# Altium PCB BMS-P00-V01.PcbDoc (part 2 of 2)
Units mm, origin at the board's own origin, x right, y up, seen from the top; angles counter-clockwise.
Board outline 70 x 160 mm, 2 copper layers (Top Layer, Bottom Layer), stack 1.57 mm thick; 200 components, 138 nets, 624 pads, 162 vias.
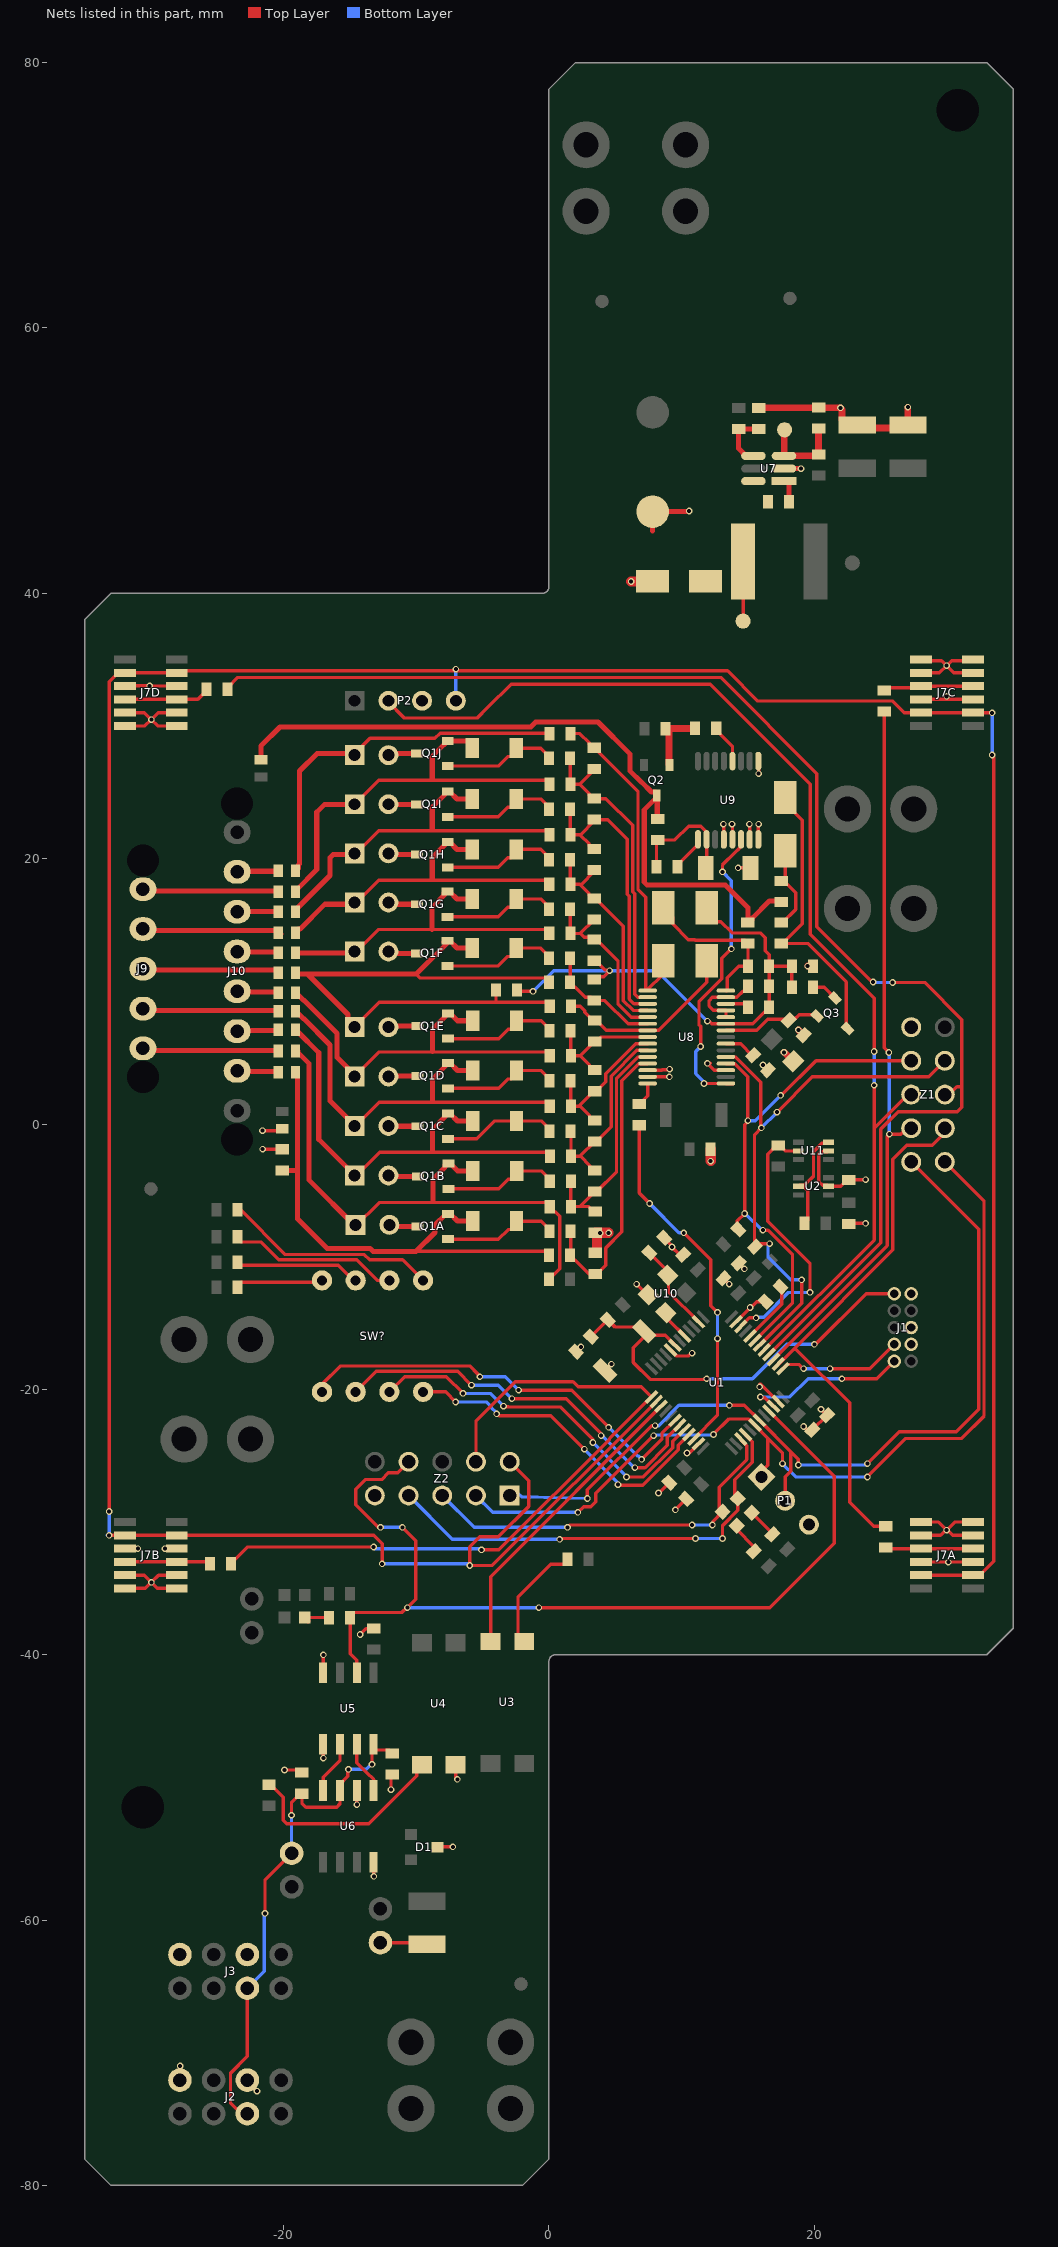
[diagram p2: the nets of this part, all layers, seen from the top]

## Via types
v1: diameter 0.5, hole 0.3, Top Layer to Bottom Layer, 103 vias
v2: diameter 0.5, hole 0.3, Top Layer to Bottom Layer, tented both sides, 59 vias

## Nets (pads, with @x,y where several pads share a name; then routed paths per layer and width w, separated by ;. In a path a pad name is that pad's centre, name@x,y a point inside that pad or via, vN(x,y) a via of type N, cw(c..) or ccw(c..) an arc to the next point about the centre after c; other vN are vias at no path point) (continued)
"CAN TX": R8.1 U1.33 U5.2 Z2.7 | length 72.2
  Top Layer w0.254: R8.1@-15.045,-37.136 -14.728,-36.819 -11.105,-36.819 -10.735,-36.449 v1(-10.668,-36.449) -10.037,-35.818 -10.037,-31.412 v1(-11.049,-30.4) ; R8.1@-14.982,-37.2 -14.982,-39.917 -14.477,-40.422 U5.2@-14.477,-41.354 ; v1(-12.7,-30.4) -12.869,-30.4 -14.567,-28.702 -14.567,-27.521 -13.843,-26.797 -12.608,-26.797 -12.1,-26.289 -11.409,-26.289 Z2.7@-10.58,-25.46 ; v1(-0.762,-36.449) 16.651,-36.449 21.5,-31.6 21.5,-26.549 U1.33@16.577,-21.626
  Bottom Layer w0.254: v1(-12.7,-30.4) v1(-11.049,-30.4) ; v1(-10.668,-36.449) v1(-0.762,-36.449)
"CAN TX LED": DS3.2 R8.2 | length 2.2
  Top Layer w0.254: DS3.2@-18.413,-37.2 R8.2@-16.568,-37.2
  Top Layer w0.381: DS3.2@-18.413,-37.2 DS3.2@-18.159,-37.454
"CELL ALERT": R32.2 U1.22 | length 27
  Top Layer w0.254: R32.2@6.8,-0.093 6.8,-5.2 v1(7.593,-5.993) ; v1(10.16,-8.2) 12.2,-10.24 12.2,-13.691 v1(12.7,-14.191) ; U1.22@10.92,-23.747 12.7,-21.967 v1(12.7,-16.176)
  Bottom Layer w0.254: v1(7.593,-5.993) 9.8,-8.2 v1(10.16,-8.2) ; v1(12.7,-16.176) v1(12.7,-14.191)
CV0: F12.1 J10.7 | length 3.1
  Top Layer w0.381: J10.7@-23.5,4 -23.45,3.95 F12.1@-20.4,3.95
CV1: F11.1 J9.5 | length 10.3
  Top Layer w0.381: J9.5@-30.6,5.55 F11.1@-20.25,5.55
CV2: F10.1 J10.6 | length 3.3
  Top Layer w0.381: J10.6@-23.5,7 -23.45,7.05 -20.3,7.05 F10.1@-20.25,7.1
CV3: F9.1 J9.4 | length 10.4
  Top Layer w0.381: J9.4@-30.6,8.55 -20.3,8.55 F9.1@-20.25,8.5
CV4: F8.1 J10.5 | length 3.3
  Top Layer w0.381: J10.5@-23.5,10 -23.45,9.95 -20.3,9.95 F8.1@-20.25,9.9
CV5: F7.1 J9.3 | length 10.5
  Top Layer w0.381: J9.3@-30.6,11.6 -20.41,11.6 -20.25,11.44 F7.1@-20.25,11.4
CV6: F6.1 J10.4 | length 3.2
  Top Layer w0.381: J10.4@-23.5,13 -23.45,12.95 -20.35,12.95 F6.1@-20.3,12.9
CV7: F5.1 J9.2 | length 10.5
  Top Layer w0.381: J9.2@-30.6,14.6 -20.51,14.6 -20.35,14.44 F5.1@-20.35,14.4
  Top Layer w0.508: F5.1@-20.35,14.4 F5.1@-20.278,14.328
CV8: F4.1 J10.3 | length 3.1
  Top Layer w0.381: J10.3@-23.5,16 F4.1@-20.4,16
CV9: F3.1 J9.1 | length 10.3
  Top Layer w0.381: J9.1@-30.6,17.55 -20.4,17.55 F3.1@-20.35,17.5
CV10: F2.1 J10.2 | length 3.2
  Top Layer w0.381: J10.2@-23.5,19 -23.45,19.05 -20.4,19.05 F2.1@-20.35,19.1
CVF0: D3A.A F12.2 Q1A.S R33.1 R34.2 | length 38.2
  Top Layer w0.254: -10.023,-9.6 R33.1@0.007,-9.6
  Top Layer w0.381: R34.2@-20.1,-3.493 -18.957,-3.493 -18.95,-3.5 ; F12.2@-18.95,3.9 -18.95,-3.5 ; D3A.A@-5.748,-7.319 -6.896,-7.319 -7.446,-6.769 Q1A.S@-7.596,-6.769 -7.746,-6.769 -8.596,-7.62 -8.596,-8.173 -10.023,-9.6 -13.262,-9.6 -13.494,-9.367 -16.733,-9.367 -18.95,-7.15 -18.95,-3.5
CVF1: D3B.A F11.2 J8A.1 Q1B.S R16A.1 R30.2 | length 41.8
  Top Layer w0.254: J8A.1@-14.586,-7.719 -12.786,-5.919 -8.743,-5.919 R16A.1@0.061,-5.919 ; R30.2@0.013,-11.7 0.8,-10.913 0.8,-6.958 R16A.1@0.061,-6.219 R16A.1@0.057,-6.215
  Top Layer w0.381: F11.2@-18.9,5.5 -18.9,5.375 -18.1,4.575 -18.1,-4.205 J8A.1@-14.586,-7.719 ; -8.743,-5.841 -8.743,-4.157 -7.837,-3.25 Q1B.S@-7.837,-3.1 ; Q1B.S@-7.577,-2.991 -7.427,-2.991 -6.877,-3.541 D3B.A@-5.729,-3.541 ; R16A.1@0.061,-6.219 R16A.1@0.061,-6.092
CVF2: D3C.A F10.2 J8B.1 Q1C.S R16B.1 | length 33.7
  Top Layer w0.254: J8B.1@-14.567,-3.941 -12.767,-2.141 R16B.1@0.08,-2.141
  Top Layer w0.381: F10.2@-18.95,7.1 -18.95,6.975 -17.349,5.374 -17.349,-1.159 J8B.1@-14.567,-3.941 ; -8.762,-2.069 -8.762,-0.385 -7.855,0.521 -7.855,0.671 -7.746,0.781 Q1C.S@-7.596,0.781 ; Q1C.S@-7.446,0.781 -6.896,0.231 D3C.A@-5.748,0.231 ; R16B.1@0.08,-2.441 R16B.1@0.08,-2.314
CVF3: D3D.A F9.2 J8C.1 Q1D.S R16C.1 | length 31.4
  Top Layer w0.254: J8C.1@-14.586,-0.169 -12.786,1.631 R16C.1@0.061,1.631
  Top Layer w0.381: F9.2@-18.95,8.5 -18.95,8.375 -18.521,7.946 -18.486,7.946 -16.5,5.96 -16.5,1.745 J8C.1@-14.586,-0.169 ; -8.762,1.731 -8.762,3.415 -7.855,4.321 -7.855,4.471 -7.746,4.581 Q1D.S@-7.596,4.581 ; Q1D.S@-7.446,4.581 -6.896,4.031 D3D.A@-5.748,4.031 ; R16C.1@0.061,1.331 R16C.1@0.061,1.458
CVF4: D3E.A F8.2 J8D.1 Q1E.S R16D.1 | length 29.1
  Top Layer w0.254: J8D.1@-14.586,3.631 -12.786,5.431 R16D.1@0.061,5.431
  Top Layer w0.381: F8.2@-18.95,9.9 -18.95,9.775 -18.521,9.346 -18.486,9.346 -15.967,6.827 -15.967,5.012 J8D.1@-14.586,3.631 ; -8.762,5.481 -8.762,7.165 -7.855,8.071 -7.855,8.221 -7.746,8.331 Q1E.S@-7.596,8.331 -7.446,8.331 -6.896,7.781 D3E.A@-5.748,7.781 ; R16D.1@0.061,5.131 R16D.1@0.061,5.258
CVF5: D3F.A F7.2 J8E.1 Q1F.S R16E.1 R24.2 R27.1 | length 46.8
  Top Layer w0.254: J8E.1@-14.586,7.381 -12.786,9.181 -3.993,9.181 R16E.1@0.061,9.181 ; -10,11.3 -9.7,11 R27.1@0.007,11 ; -3.993,9.2 R24.2@-3.993,10.1
  Top Layer w0.381: F7.2@-18.95,11.4 -18.85,11.3 -18.2,11.3 ; J8E.1@-14.586,7.381 -15.145,7.94 -15.145,8.245 -18.2,11.3 ; Q1F.S@-7.892,13.702 -7.782,13.811 -7.482,13.811 -6.932,13.261 D3F.A@-5.784,13.261 ; Q1F.S@-7.56,13.74 -10,11.3 -18.2,11.3 ; R16E.1@0.061,8.754 R16E.1@0.061,8.881
CVF6: D3G.A F6.2 J8F.1 Q1G.S R16F.1 | length 25.4
  Top Layer w0.254: J8F.1@-14.622,12.861 -12.822,14.661 -8.798,14.661 R16F.1@0.024,14.661
  Top Layer w0.381: F6.2@-19,12.9 -14.661,12.9 J8F.1@-14.622,12.861 ; -8.798,14.661 -8.798,16.345 -7.892,17.252 -7.892,17.402 -7.782,17.511 Q1G.S@-7.632,17.511 -7.482,17.511 -6.932,16.961 D3G.A@-5.784,16.961 ; R16F.1@0.024,14.361 R16F.1@0.024,14.488
CVF7: D3H.A F5.2 J8G.1 Q1H.S R16G.1 | length 26.4
  Top Layer w0.254: J8G.1@-14.622,16.561 -14.562,16.622 -12.822,18.361 R16G.1@0.024,18.361
  Top Layer w0.381: F5.2@-19.05,14.4 -19.05,14.525 -18.891,14.684 -18.766,14.684 -16.889,16.561 J8G.1@-14.622,16.561 ; -8.796,18.415 -8.796,20.081 -7.889,20.987 -7.889,21.137 -7.78,21.247 -7.48,21.247 -6.93,20.697 D3H.A@-5.782,20.697 ; R16G.1@0.024,18.061 R16G.1@0.024,18.188
CVF8: D3I.A F4.2 J8H.1 Q1I.S R16H.1 | length 28.1
  Top Layer w0.254: J8H.1@-14.62,20.297 -12.82,22.097 -8.796,22.097 R16H.1@0.027,22.097
  Top Layer w0.381: F4.2@-19.1,16 -19.1,16.125 -16.5,18.725 -16.5,20.074 -16.277,20.297 J8H.1@-14.62,20.297 ; -8.796,22.197 -8.796,23.881 -7.889,24.787 -7.889,24.937 -7.78,25.047 Q1I.S@-7.63,25.047 -7.48,25.047 -6.93,24.497 D3I.A@-5.782,24.497 ; R16H.1@0.027,21.797 R16H.1@0.027,21.924
CVF9: D3J.A F3.2 J8I.1 Q1J.S R16I.1 | length 30.5
  Top Layer w0.254: J8I.1@-14.62,24.097 -12.82,25.897 R16I.1@0.027,25.897
  Top Layer w0.381: F3.2@-19.05,17.5 -19.05,17.625 -17.5,19.175 -17.5,23.5 -16.903,24.097 J8I.1@-14.62,24.097 ; -8.796,26.031 -8.796,27.715 Q1J.S@-7.889,28.621 ; Q1J.S@-7.63,28.881 -6.099,28.881 -5.782,28.563 D3J.A@-5.782,28.331 ; R16I.1@0.027,25.597 R16I.1@0.027,25.724
CVF10: F2.2 J8J.1 R16J.1 | length 27.4
  Top Layer w0.254: J8J.1@-14.62,27.931 -13.489,29.062 -8.594,29.062 -8.195,29.46 R16J.1@-0.227,29.46
  Top Layer w0.381: F2.2@-19.05,19.1 -18.891,19.26 -18.891,19.517 -18.8,19.608 -18.8,26.6 -17.469,27.931 J8J.1@-14.62,27.931
"DSG EN": U8.1 U9.6 | length 23
  Top Layer w0.254: v1(11.43,5.842) 11.43,7.363 11.307,7.486 11.307,9.212 13.029,10.934 13.029,12.489 v1(13.748,13.208) ; v1(11.684,3.048) 13.332,3.048 U8.1@13.34,3.056 13.349,3.047 13.887,3.047 U8.1@13.913,3.021 ; v1(13.081,19) 13.081,19.522 14.028,20.47 14.039,20.47 14.334,20.765 14.334,20.776 14.48,20.921 U9.6@14.48,21.449 U9.6@14.442,21.412
  Bottom Layer w0.254: v1(11.43,5.842) 11.053,5.465 11.053,3.803 11.684,3.172 v1(11.684,3.048) ; v1(13.081,19) 13.748,18.333 v1(13.748,13.208)
"DSG MOSFET": Q2.G R20.1 R23.2 | length 4.9
  Top Layer w0.508: R20.1@8.793,29.8 8.799,29.806 11.014,29.806 R23.2@11.02,29.812 ; R20.1@9.044,29.767 9.044,27.102 Q2.G@9.074,27.072
GND: C1.1 C2.1 C3.1 C4.1 C5.1 C6.1 C7.1 C8.1 C10.1 C13.K C14.1 C15.1 C16A.1 C19.1 C20.1 C21.1 C23.1 C24.1 C26.1 C27.1 C28.1 D2.A F13.2 J1.3 J1.5 J1.9 J7A.3 J7A.5 J7A.6 J7B.3 J7B.5 J7B.6 J7C.3 J7C.5 J7C.6 J7D.3 J7D.5 J7D.6 P1.3 P2.3 R14.1 R15.1 R29.1 R31.1 R34.1 R36.1 SW1.1 U1.8 U1.23 U1.35 U1.47 U2.2 U5.4 U7.2 U8.3 U8.28 U8.29 U9.4 U9.5 U9.7 U9.8 U9.9 U10.2 U11.2 Z1.10 Z2.10 | length 120.4
  Top Layer w0.254: J7B.6@-31.95,-35 -30.428,-35 v1(-29.972,-34.544) ; J7B.5@-31.95,-34 -30.516,-34 v1(-29.972,-34.544) ; J7B.3@-31.95,-32 -30.992,-32 v2(-30.988,-32.004) ; J7D.6@-31.95,30 -30.452,30 v2(-29.972,30.48) ; J7D.5@-31.95,31 -30.492,31 v2(-29.972,30.48) ; J7D.3@-31.7,33.1 -31.78,33.02 v2(-30.099,33.02) -30.089,33.01 -28.06,33.01 J7D.3@-28.05,33 ; v2(-28.956,-32) J7B.3@-28.05,-32 ; J7B.6@-28.05,-35 -29.516,-35 v1(-29.972,-34.544) ; J7B.5@-28.05,-34 -29.428,-34 v1(-29.972,-34.544) ; J7D.6@-28.05,30 -29.492,30 v2(-29.972,30.48) ; J7D.5@-28.05,31 -29.452,31 v2(-29.972,30.48) ; J7D.5@-27.8,31.1 J7D.5@-27.785,31.115 ; J7D.3@-27.8,33.1 J7D.3@-27.733,33.167 ; v2(-21.59,-0.508) -20.258,-0.508 F13.2@-20.1,-0.35 ; v2(-21.585,-1.9) -20.1,-1.9 R34.1@-20.1,-1.906 ; U5.4@-17.017,-41.354 -17,-41.337 v2(-17,-40.005) ; v2(-14.224,-38.481) -14.224,-38.464 -13.792,-38.032 C10.1@-13.2,-38.032 ; C8.1@2.039,-17.161 v2(2.4,-16.8) ; SW1.1@4.215,-18.585 v2(4.7,-18.1) ; v2(6.604,-12.065) 7.41,-12.871 U10.2@7.476,-12.871 ; U8.29@7.44,3.556 7.443,3.553 9.071,3.553 v2(9.074,3.55) ; U8.28@7.44,4.056 7.449,4.065 8.52,4.065 8.547,4.092 9.053,4.092 v2(9.1,4.139) ; v2(8.255,-27.813) 8.287,-27.813 C1.1@9.078,-27.022 ; R36.1@8.689,-8.583 9.271,-9.165 v2(9.271,-9.271) 9.853,-9.853 C7.1@10.107,-9.853 ; U1.8@9.152,-17.029 9.185,-17.03 9.641,-17.486 10.515,-17.486 10.728,-17.272 v1(10.795,-17.272) v1@10.795,-17.258 ; v2(9.525,-29.083) 9.525,-29.075 C2.1@10.339,-28.261 ; v2(10.4,-24.8) 10.574,-24.8 U1.23@11.274,-24.101 ; v1@12.167,4.572 v1(11.938,4.572) 12.445,4.065 13.332,4.065 U8.3@13.34,4.056 U8.3@13.903,4.056 ; v2(13.139,22.6) 13.18,22.559 U9.4@13.18,21.449 ; C4.1@13.155,-11.631 v2(13.589,-12.065) ; v2(13.8,22.6) 13.83,22.57 U9.5@13.83,21.449 ; U1.47@14.102,-14.908 v2@15.167,-13.843 ; v2(14.261,19.3) C23.1@15.178,19.3 C23.1@15.178,18.995 ; C3.1@14.298,-10.488 v2(14.729,-10.919) ; v2(15.1,22.6) 15.13,22.57 U9.7@15.13,21.449 ; v2(15.168,-13.828) v2@15.168,-13.843 ; U9.8@15.78,21.449 15.78,22.58 v2(15.8,22.6) ; U9.9@15.78,27.349 15.78,27.48 15.8,27.5 v2(15.8,26.4) ; v2(15.875,-19.812) 15.875,-19.606 15.972,-19.606 U1.35@17.284,-20.919 ; R29.1@16.33,-13.388 15.648,-13.388 15.193,-13.843 v2@15.168,-13.843 ; v2(19.2,-22.8) 19.461,-23.061 C5.1@19.861,-23.061 C6.1@20.961,-21.961 v2(20.5,-21.5) ; U11.2@21.064,-2.032 20.991,-2.105 20.494,-2.105 20.345,-2.254 20.345,-4.351 20.621,-4.626 20.991,-4.626 U2.2@21.064,-4.699 22.002,-4.699 22.479,-4.222 C28.1@22.606,-4.222 22.637,-4.191 v2(23.876,-4.191) ; C27.1@22.606,-7.524 22.637,-7.493 v2(23.876,-7.493) ; J7A.3@28.05,-33 28.06,-33.01 31.94,-33.01 J7A.3@31.95,-33 ; J7A.5@28.05,-31 29.512,-31 29.905,-30.607 v2(29.972,-30.607) ; J7A.6@28.05,-30 29.365,-30 v2(29.972,-30.607) ; J7C.3@28.05,32 28.052,32.002 29.97,32.002 v2@29.972,32.004 ; J7C.5@28.05,34 29.428,34 v2(29.972,34.544) ; J7C.6@28.05,35 28.125,34.925 29.591,34.925 v2(29.972,34.544) ; v2(29.972,32.227) v2@29.972,32.004 ; J7C.5@31.61,34.036 31.737,34.163 J7C.5@31.8,34.1 ; J7C.3@31.642,32.004 v2@29.972,32.004 ; J7C.6@31.752,35.052 31.625,34.925 30.353,34.925 v2(29.972,34.544) ; J7A.5@31.95,-31 30.432,-31 30.039,-30.607 v2(29.972,-30.607) ; J7A.6@31.95,-30 30.579,-30 v2(29.972,-30.607) ; J7C.5@31.95,34 30.516,34 v2(29.972,34.544)
  Top Layer w0.381: 7.813,44.703 C13.K@7.813,46.156 10.522,46.156 v2(10.566,46.2) ; U7.2@17.713,49.401 17.757,49.357 17.801,49.4 v2(19,49.4) ; J7A.3@28.05,-33 J7A.3@28.157,-32.893 ; J7A.5@28.05,-31 J7A.5@28.056,-30.994 ; J7A.6@28.05,-30 J7A.6@28.078,-29.972
  Top Layer w0.508: C7.1@10.107,-9.898 C7.1@10.107,-9.853 ; R14.1@15.8,53.979 15.804,53.975 20.162,53.975 R15.1@20.193,54.006 ; v2(17.713,5.4) 17.756,5.4 C19.1@18.416,4.74 ; v2(18.8,7.1) C21.1@19.199,6.7 ; v2(19.5,11.9) C20.1@19.893,11.9 ; R15.1@20.32,54.006 20.351,53.975 v2(21.971,53.975) 22.095,53.851 22.095,53.075 22.491,52.679 C14.1@23.241,52.679 23.469,52.451 26.823,52.451 C15.1@27.051,52.679 v1(27.051,54.029)
  Top Layer w0.762: C26.1@3.5,-9.707 3.627,-9.707 3.627,-8.447 v2(3.852,-8.223) ; C16A.1@3.5,-8.193 4.493,-8.193 v2(4.5,-8.2) ; v2(6.2,40.893) D2.A@7.8,40.893 D2.A@7.813,40.905 ; R31.1@12.187,-1.9 12.192,-1.905 v2(12.192,-2.794)
  other v2: 30.099,-33.02 16.129,4.445
"I2C1 SCL": R40.1 U1.42 U8.5 Z1.7 | length 43.9
  Top Layer w0.254: U8.5@13.34,5.056 13.349,5.047 14.081,5.047 15.976,3.153 v1@15.976,-0.29 ; R40.1@15.441,-9.345 R40.1@15.531,-9.255 ; U1.42@15.87,-16.676 19.046,-13.5 v2(19.046,-11.748) ; v1(16.01,-0.29) 15.494,-0.806 15.494,-8.859 15.531,-8.896 R40.1@15.531,-9.255 ; v2(16.637,-9.017) 15.769,-9.017 R40.1@15.531,-9.255 ; v1(17.192,0.892) 19.856,3.556 28.636,3.556 Z1.7@29.84,4.76
  Bottom Layer w0.254: v1(16.01,-0.29) v1(17.192,0.892) ; v2(16.637,-9.017) 16.514,-9.14 16.514,-10.04 18.222,-11.748 18.987,-11.748 v2@19.016,-11.777
"I2C1 SDA": R39.1 U1.43 U8.4 Z1.8 | length 40.7
  Top Layer w0.254: U8.4@13.34,4.556 13.349,4.547 14.006,4.547 14.986,3.568 v1(14.986,0.254) 14.986,0.187 14.744,-0.055 v1(14.744,-6.747) 14.187,-7.304 14.187,-7.858 R39.1@14.277,-7.948 ; U1.43@15.516,-16.322 18.36,-13.479 18.36,-9.848 16.513,-8 v2(16.125,-8) ; v1(17.462,2.159) 17.526,2.159 20.127,4.76 Z1.8@27.3,4.76
  Bottom Layer w0.254: v1(14.744,-6.747) 14.808,-6.747 16.061,-8 v2(16.125,-8) ; v1(14.986,0.254) 15.557,0.254 v1(17.462,2.159)
"ISO 3V3": C9.2 C11.2 J2.5 J3.5 J6.1 U5.8 U6.3 | length 39.6
  Top Layer w0.254: J2.5@-22.76,-75.042 -24,-73.802 -24,-72.588 -24.002,-72.586 -24.002,-71.534 -22.732,-70.264 J3.5@-22.732,-65.136 J3.5@-22.732,-64.392 ; v1(-21.4,-59.5) -21.4,-56.96 J6.1@-19.4,-54.96 ; v1(-19.4,-52.1) -19.4,-51.134 -18.744,-50.478 C11.2@-18.617,-50.478 -18.617,-51.183 -18.313,-51.487 -15.987,-51.487 -15.749,-51.249 U6.3@-15.749,-50.236 -15.749,-49.761 -15.16,-49.173 -15.16,-48.688 v1(-15.113,-48.641) ; v1(-13.335,-48.26) U5.8@-13.335,-47.227 ; U5.8@-13.208,-46.846 -13.254,-46.801 -13.254,-46.962 -13.034,-47.181 -12.065,-47.181 C9.2@-11.811,-47.435
  Bottom Layer w0.254: J3.5@-22.732,-65.136 -21.462,-63.866 -21.462,-59.562 v1(-21.4,-59.5) ; J6.1@-19.4,-54.96 v1(-19.4,-52.1) ; v1(-15.113,-48.641) -13.783,-48.641 -13.402,-48.26 v1(-13.335,-48.26)
"ISO CAN RX": U5.6 U6.4 | length 4
  Top Layer w0.254: U6.4@-17.019,-50.236 -17.019,-49.219 -15.747,-47.947 U5.6@-15.747,-46.754
"ISO CAN TX": U5.7 U6.1 | length 4
  Top Layer w0.254: U5.7@-14.477,-46.754 -14.477,-48.137 -13.723,-48.891 -13.72,-48.891 -13.209,-49.402 U6.1@-13.209,-50.236
"ISO GND": C9.1 C11.1 D1.3 J2.2 J2.6 J3.2 J3.6 U4.2 U5.5 U6.2 U6.8 | length 10.3
  Top Layer w0.254: J2.2@-27.812,-72.06 -27.812,-71.012 v1(-27.8,-71) ; J2.6@-22.732,-72.06 -22.732,-72.168 v1(-22,-72.9) ; v1(-19.937,-48.693) -18.822,-48.693 -18.621,-48.895 C11.1@-18.617,-48.891 ; U5.5@-17.017,-46.754 -17.017,-47.783 v1(-17,-47.8) ; U6.2@-14.479,-50.236 -14.479,-51.298 v1(-14.477,-51.3) ; U6.8@-13.209,-55.636 -13.209,-56.691 v1(-13.2,-56.7) ; v1(-11.907,-50.165) -11.907,-49.194 -11.811,-49.098 -11.849,-49.06 C9.1@-11.811,-49.022 ; D1.3@-8.4,-54.5 -8.383,-54.483 v1(-7.239,-54.483) ; U4.2@-7.03,-48.3 -7.03,-49.27 v1(-6.9,-49.4)
LED0: DS1.2 U1.27 Z2.6 | length 29.4
  Top Layer w0.254: v1(1.4,-30.4) 1.574,-30.226 v1(10.795,-30.226) ; v1(12.319,-30.226) 12.366,-30.179 12.366,-29.925 DS1.2@13.081,-29.21 12.827,-28.956 12.827,-27.373 14.912,-25.288 14.912,-24.236 14.456,-23.78 U1.27@14.456,-23.747
  Bottom Layer w0.254: Z2.6@-8.04,-28 -5.64,-30.4 v1(1.4,-30.4) ; v1(10.795,-30.226) v1(12.319,-30.226)
LED1: DS2.2 U1.28 Z2.8 | length 34.3
  Top Layer w0.254: v1(0.8,-31.3) 0.858,-31.242 v1(11.049,-31.242) ; v1(13.081,-31.242) 13.081,-30.264 14.224,-29.121 14.224,-28.257 DS2.2@14.199,-28.232 ; DS2.2@14,-28.376 14,-26.812 15.318,-25.494 15.318,-23.935 14.809,-23.426 U1.28@14.809,-23.393
  Bottom Layer w0.254: Z2.8@-10.58,-28 -7.28,-31.3 v1(0.8,-31.3) ; v1(11.049,-31.242) v1(13.081,-31.242)
nALARM: U1.15 U3.2 | length 23.1
  Top Layer w0.254: U3.2@-4.5,-39 U3.2@-4.4,-39 -4.4,-34.117 U1.15@8.445,-21.272
NetC16A_2: C16A.2 C16B.1 R16A.2 R17B.2 U8.26 | length 17.8
  Top Layer w0.254: R17B.2@1.65,-4.307 1.65,-6.217 R16A.2@1.648,-6.219 2.338,-6.219 ; C16A.2@3.5,-6.607 3.373,-6.607 2.986,-6.219 2.338,-6.219 ; U8.26@7.44,5.056 7.432,5.047 6.7,5.047 5.094,3.441 5.094,-3.59 3.584,-5.1 C16B.1@3.457,-5.1 2.338,-6.219
NetC16B_2: C16B.2 C16C.1 R16B.2 R17C.2 U8.25 | length 14.8
  Top Layer w0.254: R17C.2@1.632,-0.535 1.666,-0.57 R16B.2@1.666,-2.441 2.384,-2.441 3.076,-3.132 3.076,-3.259 3.33,-3.513 C16B.2@3.457,-3.513 ; 2.398,-2.369 C16C.1@3.438,-1.329 3.565,-1.329 4.687,-0.207 4.687,3.61 6.625,5.547 7.432,5.547 U8.25@7.44,5.556
NetC16C_2: C16C.2 C16D.1 R16C.2 R17D.2 U8.24 | length 11.6
  Top Layer w0.254: R17D.2@1.632,3.265 1.648,3.249 R16C.2@1.648,1.331 2.366,1.331 3.057,0.639 3.057,0.512 3.311,0.258 C16C.2@3.438,0.258 ; 2.334,1.431 C16D.1@3.375,2.471 ; C16D.1@3.438,2.471 3.565,2.471 4.281,3.187 4.281,3.778 6.55,6.047 7.432,6.047 U8.24@7.44,6.056
NetC16D_2: C16D.2 C16E.1 R16D.2 R17E.2 U8.23 | length 9.8
  Top Layer w0.254: R17E.2@1.632,6.888 R17E.2@1.632,7.015 ; R17E.2@1.648,6.872 R16D.2@1.648,5.131 2.366,5.131 3.057,4.439 3.057,4.312 3.311,4.058 C16D.2@3.438,4.058 ; 2.398,5.181 C16E.1@3.438,6.221 3.565,6.221 3.9,6.556 U8.23@7.44,6.556
NetC16E_2: C16E.2 D6.A R16E.2 U8.22 | length 14.6
  Top Layer w0.254: R16E.2@1.648,8.881 2.366,8.881 2.698,8.548 2.698,8.421 3.311,7.808 C16E.2@3.438,7.808 3.565,7.808 4.318,7.056 U8.22@7.44,7.056 8.286,7.056 11.9,10.67 D6.A@11.9,12.3 D6.A@11.9,12.7
NetC16F_2: C16F.2 C16G.1 R16F.2 R17G.2 U8.20 | length 13.6
  Top Layer w0.254: R17G.2@1.595,16.195 1.611,16.179 R16F.2@1.611,14.361 2.361,14.361 ; C16F.2@3.021,13.743 C16F.2@3.021,13.87 ; C16F.2@3.4,13.893 3.23,14.063 2.66,14.063 2.361,14.361 ; C16G.1@3.402,15.402 2.361,14.361 ; C16F.2@3.611,13.893 5.203,12.302 5.203,9.058 6.205,8.056 U8.20@7.44,8.056 U8.20@7.432,8.065
NetC16G_2: C16G.2 C16H.1 R16G.2 R17H.2 U8.19 | length 16.5
  Top Layer w0.254: R17H.2@1.598,19.931 1.611,19.917 R16G.2@1.611,18.061 2.329,18.061 2.38,18.011 ; C16H.1@3.455,19.086 2.38,18.011 ; U8.19@7.44,8.556 7.432,8.565 6.891,8.565 6.882,8.556 6.342,8.556 5.609,9.289 5.609,14.908 3.529,16.989 C16G.2@3.402,16.989 3.275,16.989 3.021,17.243 3.021,17.37 2.38,18.011
NetC16H_2: C16H.2 C16I.1 R16H.2 R17I.2 U8.18 | length 22.6
  Top Layer w0.254: R17I.2@1.598,23.731 1.614,23.715 R16H.2@1.614,21.797 2.332,21.797 2.349,21.78 ; C16H.2@3.404,20.724 3.277,20.724 3.023,20.978 3.023,21.105 2.349,21.78 ; C16I.1@3.404,22.937 4.437,22.937 5.9,21.474 5.9,17.33 6.055,17.175 6.055,9.418 6.408,9.065 7.432,9.065 U8.18@7.44,9.056 ; C16I.1@3.455,22.886 2.349,21.78
NetC16I_2: C16I.2 C16J.1 R16I.2 R17J.2 U8.17 | length 23.8
  Top Layer w0.254: R17J.2@1.598,27.565 1.614,27.549 R16I.2@1.614,25.597 2.332,25.597 ; C16J.1@3.023,26.517 C16J.1@3.277,26.771 ; C16J.1@3.455,26.72 2.332,25.597 ; U8.17@7.44,9.556 7.432,9.565 6.675,9.565 6.461,9.779 6.461,17.344 6.306,17.498 6.306,22.511 4.293,24.524 C16I.2@3.404,24.524 3.277,24.524 3.023,24.778 3.023,24.905 2.332,25.597
NetC16J_2: C16J.2 D4.A R16J.2 U8.16 | length 25
  Top Layer w0.254: R16J.2@1.614,29.431 2.332,29.431 3.023,28.739 3.023,28.612 3.277,28.358 C16J.2@3.404,28.358 6.713,25.05 6.713,17.667 7.3,17.079 7.3,10.077 7.312,10.065 7.388,10.065 8.6,11.277 D4.A@8.6,12.3
NetC17_2: C17.2 D4.K R18.1 U8.15 | length 12.5
  Top Layer w0.254: D4.K@8.6,16.3 9.323,15.577 9.323,15.077 10.5,13.9 11,13.9 11.039,13.861 14.746,13.861 R18.1@15,13.607 15,11.907 C17.2@15.007,11.9 14.3,11.9 14.155,11.755 13.436,11.036 13.436,10.077 13.415,10.056 U8.15@13.34,10.056
NetC18_2: C18.2 U8.11 U8.12 U8.14 | length 5.8
  Top Layer w0.254: U8.11@13.34,8.056 U8.12@13.34,8.556 13.332,8.565 12.39,8.565 12.065,8.89 12.065,9.307 12.306,9.547 U8.14@13.332,9.547 ; U8.14@13.34,9.556 U8.14@13.332,9.547 ; C18.2@15.007,10.4 15.007,10.273 14.753,10.019 14.626,10.019 14.154,9.547 U8.14@13.332,9.547
NetC21_2: C21.2 Q3.S U8.9 | length 7.3
  Top Layer w0.254: U8.9@13.34,7.056 15.656,7.056 16.5,7.9 C21.2@17.974,7.9 ; C21.2@18.078,7.822 18.148,7.892 18.507,7.892 18.863,8.247 20.109,8.247 Q3.S@20.215,8.141
NetC22_1: C22.1 C23.2 R26.1 U9.2 | length 9
  Top Layer w0.254: C22.1@8.107,19.4 8.107,21.313 R26.1@8.2,21.407 9.499,21.407 10.521,22.429 11.439,22.429 11.842,22.025 U9.2@11.842,21.487 ; C23.2@11.822,19.3 11.88,19.358 U9.2@11.88,21.449
NetC22_2: C22.2 U9.1 | length 2.8
  Top Layer w0.254: C22.2@9.693,19.273 C22.2@9.693,19.4 9.693,19.527 11.103,20.937 11.139,20.937 11.23,21.027 U9.1@11.23,21.449
NetC24_2: C24.2 U8.7 | length 2.4
  Top Layer w0.254: U8.7@13.34,6.056 14.444,6.056 C24.2@15.339,5.161
NetC25_2: C25.2 R17F.2 R27.2 U8.21 | length 9
  Top Layer w0.254: R17F.2@1.595,12.495 1.595,10.702 R27.2@1.593,10.7 1.593,10.573 1.847,10.319 1.974,10.319 2.733,9.56 3.147,9.56 C25.2@3.4,9.307 4.219,9.307 5.97,7.556 U8.21@7.44,7.556
NetC26_2: C26.2 R17A.2 R33.2 U8.27 | length 22.3
  Top Layer w0.254: R17A.2@1.632,-8.085 1.632,-9.862 R33.2@1.593,-9.9 1.593,-10.027 1.847,-10.281 1.974,-10.281 2.987,-11.293 C26.2@3.5,-11.293 3.627,-11.293 4.287,-10.633 4.287,-9.347 5.5,-8.134 5.5,3.273 6.774,4.547 7.432,4.547 U8.27@7.44,4.556
NetD3A_K: D3A.K Q1A.G R17A.1 | length 8.8
  Top Layer w0.254: Q1A.G@-7.596,-8.669 -7.565,-8.7 -3.826,-8.7 -3.081,-7.954 -2.827,-7.954 -2.446,-7.573 D3A.K@-2.446,-7.319 -0.594,-7.319 0.045,-7.958 R17A.1@0.045,-8.085
NetD3B_K: D3B.K Q1B.G R17B.1 | length 8.7
  Top Layer w0.254: Q1B.G@-7.577,-4.891 -3.777,-4.891 -3.062,-4.176 -2.808,-4.176 -2.427,-3.795 D3B.K@-2.427,-3.541 -0.575,-3.541 0.064,-4.18 R17B.1@0.064,-4.307
NetD3C_K: D3C.K Q1C.G R17C.1 | length 8.6
  Top Layer w0.254: Q1C.G@-7.596,-1.119 -5.432,-1.119 -4.082,0.231 D3C.K@-2.446,0.231 -0.594,0.231 0.045,-0.408 R17C.1@0.045,-0.535
NetD3D_K: D3D.K Q1D.G R17D.1 | length 8.7
  Top Layer w0.254: Q1D.G@-7.596,2.681 -3.796,2.681 -3.081,3.396 -2.827,3.396 -2.446,3.777 D3D.K@-2.446,4.031 -0.594,4.031 0.045,3.392 R17D.1@0.045,3.265
NetD3E_K: D3E.K Q1E.G R17E.1 | length 8.7
  Top Layer w0.254: Q1E.G@-7.596,6.431 -3.796,6.431 -3.081,7.146 -2.827,7.146 -2.446,7.527 D3E.K@-2.446,7.781 -0.594,7.781 0.045,7.142 R17E.1@0.045,7.015
NetD3F_K: D3F.K Q1F.G R17F.1 | length 8.7
  Top Layer w0.254: Q1F.G@-7.632,11.911 -3.832,11.911 -3.117,12.626 -2.863,12.626 -2.482,13.007 D3F.K@-2.482,13.261 -0.631,13.261 0.008,12.622 R17F.1@0.008,12.495
NetD3G_K: D3G.K Q1G.G R17G.1 | length 8.7
  Top Layer w0.254: Q1G.G@-7.632,15.611 -3.832,15.611 -3.117,16.326 -2.863,16.326 -2.482,16.707 D3G.K@-2.482,16.961 -0.631,16.961 0.008,16.322 R17G.1@0.008,16.195
NetD3H_K: D3H.K Q1H.G R17H.1 | length 8.7
  Top Layer w0.254: Q1H.G@-7.63,19.347 -3.83,19.347 -3.115,20.062 -2.861,20.062 -2.48,20.443 D3H.K@-2.48,20.697 -0.628,20.697 0.011,20.058 R17H.1@0.011,19.931
NetD3I_K: D3I.K Q1I.G R17I.1 | length 8.7
  Top Layer w0.254: Q1I.G@-7.63,23.147 -3.83,23.147 -3.115,23.862 -2.861,23.862 -2.48,24.243 D3I.K@-2.48,24.497 -0.628,24.497 0.011,23.858 R17I.1@0.011,23.731
NetD3J_K: D3J.K Q1J.G R17J.1 | length 8.5
  Top Layer w0.254: Q1J.G@-7.63,26.981 -3.83,26.981 -3.115,27.696 -2.861,27.696 D3J.K@-2.48,28.077 ; D3J.K@-2.48,28.331 -0.628,28.331 0.011,27.692 R17J.1@0.011,27.565
NetD5_A: D5.A R19.1 R21.2 | length 6.5
  Top Layer w0.254: R21.2@17.5,15.193 17.627,15.193 18.6,16.166 18.6,17.42 17.627,18.393 17.546,18.393 17.8,18.647 D5.A@17.8,20.6
NetD5_K: D5.K Q3.D R21.1 | length 21.8
  Top Layer w0.254: R21.1@17.5,13.607 R21.1@17.627,13.607 ; D5.K@17.8,24.6 17.8,24.2 19.1,22.9 19.1,15.08 R21.1@17.627,13.607 ; Q3.D@22.513,7.187 22.407,7.293 22.407,10.706 19.507,13.607 R21.1@17.627,13.607
NetDS1_1: DS1.1 R4.1 | length 2.1
  Top Layer w0.254: DS1.1@14.159,-30.288 14.159,-30.561 R4.1@15.443,-31.846
NetDS2_1: DS2.1 R5.1 | length 2.3
  Top Layer w0.254: DS2.1@15.302,-29.305 16.838,-30.841 R5.1@16.838,-30.935
NetF1_2: F1.2 Q2.D R18.2 R19.2 R26.2 | length 56.2
  Top Layer w0.381: F1.2@-21.7,27.45 -21.7,28.5 -20.27,29.93 -1.37,29.93 -1.001,30.299 3.701,30.299 6.1,27.9 6.1,26.618 6.93,25.788 6.965,25.788 7.722,25.031 8.015,25.031 8.124,24.922 Q2.D@8.124,24.772 8.124,24.622 7.183,23.68 7.183,18.223 7.406,18 13.3,18 15,16.3 R18.2@15,15.193 15.127,15.193 15.318,15.384 15.318,15.511 16.613,16.807 R19.2@17.5,16.807 ; Q2.D@8.162,24.512 8.162,23.031 R26.2@8.2,22.993
NetJ5_2: J5.2 R10.2 | length 3.6
  Top Layer w0.254: J5.2@-12.7,-61.7 -9.325,-61.7 R10.2@-9.2,-61.825
NetJ7A_4: J7A.4 R11A.2 | length 6.6
  Top Layer w0.254: R11A.2@25.4,-31.908 25.492,-32 J7A.4@28.05,-32 J7A.4@31.95,-32
NetJ7B_4: J7B.4 R11B.2 | length 6.5
  Top Layer w0.254: J7B.4@-31.95,-33 J7B.4@-28.05,-33 -25.705,-33 R11B.2@-25.558,-33.147
NetJ7C_4: J7C.4 R11C.2 | length 6.8
  Top Layer w0.254: R11C.2@25.273,32.67 25.496,32.893 27.943,32.893 J7C.4@28.05,33 J7C.4@31.95,33
NetJ7D_4: J7D.4 R11D.2 | length 6.5
  Top Layer w0.254: J7D.4@-31.95,32 J7D.4@-28.05,32 -26.451,32 -25.812,32.639 R11D.2@-25.812,32.766
NetJ8A_2: J8A.2 Q1A.D | length 2.2
  Top Layer w0.381: J8A.2@-12.046,-7.719 Q1A.D@-9.896,-7.719 ; J8A.2@-12.027,-7.6 J8A.2@-11.964,-7.663
NetJ8B_2: J8B.2 Q1B.D | length 2.1
  Top Layer w0.381: J8B.2@-12.027,-3.941 Q1B.D@-9.877,-3.941
NetJ8C_2: J8C.2 Q1C.D | length 2.2
  Top Layer w0.381: J8C.2@-11.982,-0.233 -12.046,-0.169 Q1C.D@-9.896,-0.169
NetJ8D_2: J8D.2 Q1D.D | length 2.1
  Top Layer w0.381: J8D.2@-12.046,3.631 Q1D.D@-9.896,3.631
NetJ8E_2: J8E.2 Q1E.D | length 2.2
  Top Layer w0.381: J8E.2@-12.046,7.3 J8E.2@-11.982,7.237 ; J8E.2@-12.046,7.381 Q1E.D@-9.896,7.381
NetJ8F_2: J8F.2 Q1F.D | length 2.1
  Top Layer w0.381: J8F.2@-12.082,12.861 Q1F.D@-9.932,12.861
NetJ8G_2: J8G.2 Q1G.D | length 2.2
  Top Layer w0.381: J8G.2@-12.019,16.498 -12.082,16.561 Q1G.D@-9.932,16.561
NetJ8H_2: J8H.2 Q1H.D | length 2.2
  Top Layer w0.381: J8H.2@-12.016,20.233 -12.08,20.297 Q1H.D@-9.93,20.297
NetJ8I_2: J8I.2 Q1I.D | length 2.2
  Top Layer w0.381: J8I.2@-12.016,24.033 -12.08,24.097 Q1I.D@-9.93,24.097
NetJ8J_2: J8J.2 Q1J.D | length 2.2
  Top Layer w0.381: J8J.2@-12.1,27.8 J8J.2@-12.037,27.737 ; J8J.2@-12.08,27.931 Q1J.D@-9.93,27.931
NetQ3_G: Q3.G R25.1 | length 2
  Top Layer w0.254: R25.1@19.893,10.3 20.744,10.3 Q3.G@21.559,9.485
NetR1_1: R1.1 SW?.1 | length 6.6
  Top Layer w0.254: R1.1@-23.464,-12.322 -23.464,-12.195 -23.21,-11.941 -17.255,-11.941 SW?.1@-17.107,-11.793
NetR2_1: R2.1 SW?.2 | length 9.5
  Top Layer w0.254: R2.1@-23.464,-10.417 -23.23,-10.65 -15.883,-10.65 -14.74,-11.793 SW?.2@-14.567,-11.793
NetR6_1: R6.1 U3.1 | length 8.5
  Top Layer w0.254: U3.1@-2.331,-39.199 -2.331,-35.639 0.127,-33.181 1.153,-33.181 1.407,-32.927 R6.1@1.407,-32.8
NetR7_2: R7.2 U4.1 | length 15.4
  Top Layer w0.254: R7.2@-21.1,-49.8 -20.973,-49.8 -20.031,-50.742 -20.031,-52.469 -19.769,-52.731 -13.58,-52.731 -9.97,-49.121 U4.1@-9.97,-48.6
NetR22_2: R22.2 U8.13 | length 1.8
  Top Layer w0.254: U8.13@13.34,9.056 14.753,9.056 R22.2@15.007,8.8 R22.2@15.007,8.8
NetR23_1: R23.1 U9.12 | length 2.8
  Top Layer w0.254: R23.1@12.607,29.685 13.83,28.462 U9.12@13.83,27.349
NetR28_1: R28.1 U2.5 U11.3 | length 8
  Top Layer w0.254: R28.1@19.273,-7.493 19.518,-7.247 19.518,-5.033 19.257,-4.772 18.887,-4.772 U2.5@18.814,-4.699 18.887,-4.626 19.257,-4.626 19.939,-3.944 19.939,-2.085 20.569,-1.455 U11.3@20.991,-1.455
NetR29_2: R29.2 U1.44 | length 4.7
  Top Layer w0.254: U1.44@15.163,-15.969 17.542,-13.59 17.542,-12.356 R29.2@17.452,-12.266
NetR32_1: R32.1 U8.30 | length 2.4
  Top Layer w0.254: R32.1@6.8,1.493 6.927,1.493 7.181,1.747 7.181,1.874 7.44,2.134 U8.30@7.44,3.056 7.905,3.056 U8.30@7.926,3.035
NetR35_1: R35.1 U1.46 U11.5 | length 20.5
  Top Layer w0.254: U1.46@14.641,-15.076 15.112,-14.605 v2(15.621,-14.605) ; U11.5@18.814,-2.032 17.811,-2.032 17.399,-1.62 R35.1@17.272,-1.62 17.145,-1.62 16.485,-2.28 16.485,-7.344 19.677,-10.536 v2(19.677,-12.684)
  Bottom Layer w0.254: v2(15.621,-14.605) 15.668,-14.558 16.176,-14.558 18.034,-12.7 19.558,-12.7 19.574,-12.684 v2(19.677,-12.684)
NetR36_2: R36.2 U1.2 U10.1 | length 6.9
  Top Layer w0.254: R36.2@7.477,-9.615 R36.2@7.567,-9.705 8.961,-11.099 U10.1@8.961,-11.386 9.006,-11.431 9.006,-12.64 U1.2@11.274,-14.908
NetR37_1: R37.1 SW?.3 | length 12.9
  Top Layer w0.254: R37.1@-23.464,-8.512 -23.464,-8.639 -23.21,-8.893 -21.714,-8.893 -20.363,-10.244 -14.5,-10.244 -12.951,-11.793 SW?.3@-12.027,-11.793
NetR38_1: R38.1 SW?.4 | length 16.2
  Top Layer w0.254: R38.1@-23.464,-6.48 -23.238,-6.48 -19.881,-9.837 -13.912,-9.837 -13.505,-10.244 -11.036,-10.244 SW?.4@-9.487,-11.793
NetSW?_5: SW?.5 U1.18 | length 31.9
  Top Layer w0.254: SW?.5@-17.107,-20.193 -17.107,-19.634 -15.71,-18.237 -5.971,-18.237 v1@-5.348,-18.859 ; v1(-2.286,-20.066) 1.706,-20.066 v1(4.5,-22.86) ; v1(6.985,-25.273) 6.992,-25.273 8.516,-23.748 8.516,-23.322 U1.18@9.506,-22.333
  Bottom Layer w0.254: v1(-5.207,-19.05) -3.302,-19.05 v1(-2.286,-20.066) ; v1(4.5,-22.86) 6.659,-25.019 6.731,-25.019 v1(6.985,-25.273)
NetSW?_6: SW?.6 U1.19 | length 29.9
  Top Layer w0.254: SW?.6@-14.567,-20.193 -13.018,-18.644 -6.883,-18.644 v1(-5.842,-19.685) ; v1(-2.794,-20.701) 1.301,-20.701 3.937,-23.337 v1(3.937,-23.495) ; v1(6.477,-25.908) 7.242,-25.908 8.923,-24.228 8.923,-23.623 U1.19@9.859,-22.686
  Bottom Layer w0.254: v1(-5.842,-19.685) -3.81,-19.685 v1(-2.794,-20.701) ; v1(3.937,-23.495) 4,-23.495 6.413,-25.908 v1(6.477,-25.908)
NetSW?_7: SW?.7 U1.20 | length 27.8
  Top Layer w0.254: SW?.7@-12.027,-20.193 -10.884,-19.05 -7.726,-19.05 v1(-6.477,-20.299) ; v1(-3.429,-21.272) -3.382,-21.319 -3.068,-21.319 -3.055,-21.332 0.885,-21.332 3.302,-23.749 v1(3.302,-24.003) ; v1(5.842,-26.604) 7.121,-26.604 9.329,-24.396 9.329,-23.924 U1.20@10.213,-23.04
  Bottom Layer w0.254: v1(-6.477,-20.299) -6.46,-20.316 -4.385,-20.316 -3.493,-21.208 -3.493,-21.272 v1(-3.429,-21.272) ; v1(3.302,-24.003) 5.842,-26.543 v1(5.842,-26.604)
NetSW?_8: SW?.8 U1.21 | length 25
  Top Layer w0.254: SW?.8@-9.487,-20.193 -7.792,-20.193 v1(-7.03,-20.955) ; v1(-3.937,-21.844) -3.87,-21.844 -3.735,-21.979 0.135,-21.979 v1(2.667,-24.511) ; v1(5.207,-27.178) 5.274,-27.178 5.331,-27.235 7.065,-27.235 9.736,-24.564 9.736,-24.224 U1.21@10.567,-23.393
  Bottom Layer w0.254: v1(-7.03,-20.955) -4.699,-20.955 -4.343,-21.311 -4.343,-21.371 -3.937,-21.777 v1(-3.937,-21.844) ; v1(2.667,-24.511) 5.295,-27.139 5.256,-27.178 v1(5.207,-27.178)
NRST: C8.2 J1.10 R3.1 SW1.2 U1.7 | length 33.3
  Top Layer w0.254: C8.2@3.161,-16.039 R3.1@4.439,-14.761 4.979,-15.301 6.871,-15.301 SW1.2@7.185,-15.615 ; U1.7@9.506,-16.676 8.759,-15.929 7.499,-15.929 SW1.2@7.185,-15.615 ; v1(11.88,-19.2) 11.833,-19.247 11.659,-19.247 11.652,-19.253 7.628,-19.253 6.35,-17.976 6.35,-16.872 7.185,-16.037 SW1.2@7.185,-15.615 ; v1(20,-16.61) 20.09,-16.61 23.9,-12.8 J1.10@26.03,-12.8
  Bottom Layer w0.254: v1(11.88,-19.2) 15.341,-19.2 17.931,-16.61 v1(20,-16.61)
"OSC IN": U1.5 U10.3 | length 3.1
  Top Layer w0.254: U10.3@8.774,-14.169 U10.3@8.819,-14.214 8.819,-14.575 9.741,-15.496 U1.5@10.213,-15.969 10.213,-15.936 9.757,-15.48
"PWR CB": C12.1 U7.1 | length 1.9
  Top Layer w0.381: U7.1@17.713,48.451 17.978,48.451 18.093,48.336 C12.1@18.093,46.893
"PWR FB": R13.1 R15.2 TP9.1 U7.3 | length 7.3
  Top Layer w0.381: U7.3@17.713,50.351 U7.3@18.397,50.351
  Top Layer w0.508: TP9.1@17.76,52.323 17.737,52.299 17.737,50.375 U7.3@17.733,50.371 ; R15.2@20.32,52.42 R13.1@20.32,50.45 20.241,50.371 U7.3@17.733,50.371 ; U7.3@17.733,50.371 U7.3@17.713,50.351 U7.3@17.733,50.371
"PWR SHDN": R12.1 R14.2 U7.4 | length 4.8
  Top Layer w0.381: U7.4@15.8,50.458 15.693,50.351 U7.4@15.413,50.351 14.854,50.351 14.3,50.905 R12.1@14.3,52.393 R14.2@15.8,52.393
"PWR SW": C12.2 D2.K L1.1 TP8.1 U7.6 | length 4.5
  Top Layer w0.254: TP8.1@14.633,37.9 L1.1@14.633,42.393
SWCLK: J1.4 U1.37 | length 9.4
  Top Layer w0.254: U1.37@17.638,-18.444 17.956,-18.126 18.815,-18.126 19.133,-18.444 v1(19.2,-18.444) ; v1(21.2,-18.444) 24.196,-18.444 J1.4@26.03,-16.61
  Bottom Layer w0.254: v1(19.2,-18.444) v1(21.2,-18.444)
SWDIO: J1.2 U1.34 | length 12.5
  Top Layer w0.254: v2(15.938,-20.574) 15.986,-20.621 16.279,-20.621 U1.34@16.93,-21.272 U1.34@16.898,-21.272 ; v1(22.078,-19.2) 24.71,-19.2 J1.2@26.03,-17.88
  Bottom Layer w0.254: v2(15.938,-20.574) 18.161,-20.574 19.535,-19.2 v1(22.078,-19.2)
TEMP1: R11A.1 U1.38 Z1.3 | length 41
  Top Layer w0.254: U1.38@17.284,-18.09 17.317,-18.09 18.407,-17 ; R11A.1@25.4,-30.322 24.488,-30.322 22.669,-28.502 22.669,-21.02 18.649,-17 18.407,-17 ; Z1.3@29.84,-0.32 29.602,-0.558 29.602,-0.898 28.9,-1.6 26.961,-1.6 25.912,-2.649 25.912,-9.495 18.407,-17
TEMP2: R11B.1 U1.13 Z2.3 | length 54.6
  Top Layer w0.254: R11B.1@-23.972,-33.147 -22.702,-31.877 v1(-13.208,-31.877) ; Z2.3@-5.5,-25.46 -5.5,-22.388 -2.547,-19.435 1.817,-19.435 2.194,-19.812 6.953,-19.812 U1.13@7.706,-20.565 ; v1(-5.08,-32.1) -3.776,-32.1 4.568,-23.756 4.568,-23.703 U1.13@7.387,-20.883
  Bottom Layer w0.254: v1(-13.208,-31.877) -13.085,-32 -5.247,-32 -5.147,-32.1 v1(-5.08,-32.1)
TEMP3: R11C.1 U1.39 Z1.4 | length 54.7
  Top Layer w0.254: U1.39@16.93,-17.737 25.506,-9.161 25.506,-0.906 v2(25.65,-0.762) 26.521,-0.762 26.963,-0.32 Z1.4@27.3,-0.32 ; R11C.1@25.273,31.084 25.273,5.731 v1(25.613,5.391) v1@25.616,5.388
  Bottom Layer w0.254: v1(25.613,5.391) 25.65,5.354 v2(25.65,-0.762) ; Z1.4@27.057,-0.32 Z1.4@27.3,-0.32
TEMP4: R11D.1 U1.40 Z1.5 | length 108.5
  Top Layer w0.254: R11D.1@-24.226,32.893 -23.464,33.655 12.954,33.655 20.193,26.416 20.193,14.859 24.229,10.823 24.241,10.823 24.364,10.7 v1(24.431,10.7) ; U1.40@16.577,-17.383 25.019,-8.941 25.019,-0.378 26.315,0.919 30.764,0.919 31.115,1.27 31.115,2.794 ; v1(25.904,10.668) 28.321,10.668 31.115,7.874 31.115,2.794 ; Z1.5@29.84,2.22 30.177,2.22 30.751,2.794 31.115,2.794
  Bottom Layer w0.254: v1(24.431,10.7) 24.463,10.668 v1(25.904,10.668)
TEMP5: P2.2 U1.41 Z1.6 | length 88.4
  Top Layer w0.254: P2.2@-12.114,31.814 -10.9,30.6 -5.4,30.6 -4.6,31.4 -2.853,33.147 12.153,33.147 19.7,25.6 19.7,14.3 24.511,9.489 v1(24.511,5.461) ; U1.41@16.223,-17.029 24.507,-8.746 24.507,-0.315 27.042,2.22 Z1.6@27.3,2.22 ; 24.511,-0.311 v1(24.511,2.921)
  Bottom Layer w0.254: v1(24.511,2.921) v1(24.511,5.461)
"TEMP SOC": J7A.2 J7B.2 J7C.2 J7D.2 P2.4 U1.14 Z2.1 | length 264.6
  Top Layer w0.254: v1(-33.151,-31) J7B.2@-31.95,-31 J7B.2@-28.05,-31 -13.193,-31 -12.573,-31.62 v1(-12.573,-33.147) ; v1(-33.151,-29.203) -33.151,33.324 -32.875,33.6 -32.871,33.6 -32.471,34 J7D.2@-31.95,34 J7D.2@-28.05,34 -27.887,34.163 -7.21,34.163 -7.087,34.286 v1(-7.02,34.286) ; P2.4@-7.02,31.9 P2.4@-6.791,32.129 ; v1@-7.02,34.163 13.462,34.163 15.748,31.877 25.908,31.877 26.785,31 J7C.2@28.05,31 J7C.2@31.95,31 31.956,30.994 33.399,30.994 v1(33.405,30.988) ; Z2.1@-2.96,-25.46 -1.524,-26.896 -1.524,-28.829 -3.81,-31.115 -5.207,-31.115 -5.969,-31.877 v1(-5.969,-33.274) -4.264,-33.274 U1.14@8.092,-20.919 ; J7A.2@28.05,-34 J7A.2@31.95,-34 32.471,-34 32.871,-33.6 32.875,-33.6 33.528,-32.947 33.528,27.623 33.405,27.746 v1(33.405,27.813)
  Bottom Layer w0.254: v1@-33.301,-31 v1(-33.151,-31) v1(-33.151,-29.203) ; v1(-12.573,-33.147) -6.096,-33.147 v1(-5.969,-33.274) ; P2.4@-7.02,31.9 v1(-7.02,34.286) ; v1(33.405,27.813) v1(33.405,30.988)
"USART1 RX": P1.2 U1.31 Z1.2 Z2.2 | length 67.5
  Top Layer w0.254: v1(2.9,-28.227) 2.9,-27.58 7.747,-22.733 v1(8.001,-22.733) ; v1(13.6,-21.2) 14.737,-21.2 U1.31@15.87,-22.333 18.231,-24.694 ; P1.2@17.8,-28.4 17.8,-26.594 18.231,-26.163 18.231,-24.694 ; v1(18.8,-25.7) 18.8,-25.263 18.231,-24.694 ; v1(24,-25.6) 26.4,-23.2 30.7,-23.2 32.385,-21.515 32.385,-7.945 Z1.2@27.3,-2.86
  Bottom Layer w0.254: Z2.2@-2.96,-28 -2.76,-27.8 -2.46,-28.1 -2.26,-27.9 -2.06,-28.1 v1(2.9,-28.227) ; v1(8.001,-22.733) 8.267,-22.733 9.8,-21.2 v1(13.6,-21.2) ; v1(18.8,-25.7) 23.833,-25.7 23.933,-25.6 v1(24,-25.6)
"USART1 TX": P1.1 U1.30 Z1.1 Z2.4 | length 69.8
  Top Layer w0.254: v1(2.177,-29.27) 2.614,-28.833 2.639,-28.858 3.161,-28.858 3.531,-28.488 3.531,-27.835 7.879,-23.487 v1(7.885,-23.487) ; v1(12.4,-23.4) 13.57,-22.23 15.028,-22.23 15.516,-22.719 15.529,-22.719 16.5,-23.69 ; P1.1@16.004,-26.604 16.004,-26.207 16.5,-25.711 16.5,-23.69 ; v1(17.6,-25.6) 17.6,-24.79 16.5,-23.69 ; v1(24,-26.604) 26.904,-23.7 31.1,-23.7 32.791,-22.009 32.791,-5.811 Z1.1@29.84,-2.86
  Bottom Layer w0.254: Z2.4@-5.5,-28 -4.23,-29.27 v1(2.177,-29.27) ; v1(7.885,-23.487) 7.929,-23.443 12.357,-23.443 v1(12.4,-23.4) ; v1(17.6,-25.6) 18.604,-26.604 v1(24,-26.604)
VC5X: C16F.1 C17.1 C18.1 C20.2 C25.1 D6.K R22.1 R24.1 R25.2 U8.10 | length 39
  Top Layer w0.254: R24.1@-2.407,10.1 -2.307,10 v1(-1.2,10) ; C25.1@3.4,10.893 3.617,11.111 4.126,11.111 v2(4.572,11.557) 4.525,11.604 4.23,11.604 3.527,12.307 C16F.1@3.4,12.307 C16F.1@3.429,12.336 ; D6.K@11.9,16.3 11.9,15.958 12.623,15.235 12.965,15.235 13.8,14.4 15.934,14.4 16.3,14.034 16.3,13.051 16.593,12.758 C17.1@16.593,11.9 ; v1(11.938,7.747) 12.065,7.747 12.256,7.556 U8.10@13.34,7.556 15.349,7.556 R22.1@16.593,8.8 C17.1@16.593,11.9 ; R25.2@18.307,10.3 C20.2@18.307,11.9 C17.1@16.593,11.9
  Bottom Layer w0.254: v1(-1.2,10) 0.357,11.557 v2(4.572,11.557) 8.128,11.557 v1(11.938,7.747)
pads on no net: FID1.1 FID2.1 FID3.1 FID4.1 J1.6 J1.7 J1.8 J9.NC J10.NC M3.1 M4.1 M5.0 M6.0 M7.0 M8.0 U1.3 U1.4 U1.6 U1.10 U1.11 U1.12 U1.16 U1.17 U1.25 U1.26 U1.29 U1.45 U2.4 U8.2 U9.3 U9.10 U9.11 U9.13 U9.14 U9.15 U9.16 U11.4 Z1.9 Z2.9
copper on no net: | length 0
  Top Layer w0.254: 13.34,3.556 13.349,3.547

## Polygon pours and split planes (outlines as drawn)
"PWR SW" on Top Layer "PWR_SW_L01_P002" (solid, pour order 2): 16.298,48.804 16.298,47.534 17.06,47.534 17.06,46.264 16.552,46.264 15.536,45.248 15.536,39.406 10.456,39.406 10.456,41.946 12.234,43.724 12.234,46.518 14.52,48.804
no net on Top Layer "NONET_L01_P010" (solid, remove dead copper, pour order 10): -34.925,-46.228
no net on Top Layer "NONET_L01_P006" (solid, pour order 6): 19.178,56.784
no net on Top Layer "NONET_L01_P004" (solid, pour order 4): 24.258,57.292
no net on Top Solder (solid): -35,-41.514 0,-41.514 0,-46.594 -35,-46.594
no net on Bottom Solder (solid): -35,-41.514 0,-41.514 0,-46.594 -35,-46.594
GND on Bottom Layer "GND_L02_P008" (solid, remove dead copper, pour order 8): 33,80 35,78 35,-37.973 32.968,-40.005 32.893,-40 0,-40 0,-42.1 -35,-42.1 -35,37.898 -32.893,40 0,40 0,78 2,80
"ISO GND" on Bottom Layer "ISO_GND_L02_P012" (solid, remove dead copper, pour order 12): -33.02,-79.883 -34.925,-77.978 -34.925,-45.974 -0.127,-45.974 -0.127,-77.978 -2.032,-79.883
no net on Bottom Overlay (solid): 0.635,-3.81 -5.715,-3.81 -5.715,29.21 0.635,29.21
no net on Top Overlay (solid): 13.335,78.105 27.3,78.105 27.3,66.675 17.8,66.675 17.8,69.215 13.335,69.215

## Silkscreen, mask and mechanical layers (free items; w line width, h text height)
Top Overlay:
  lines w0.254: -35,-41.2 -18.414,-41.26 ; -34.9,-46.848 -18.414,-46.848 ; -34.417,3.117 -34.417,20.683 -33.651,21.449 -27.651,21.449 -27.2,21.9 -27.2,25.6 -26.7,26.1 -23.6,26.1 -23,26.7 -23,28.3 -22.7,28.6 -17.358,28.6 -15.732,30.226 -1.774,30.226 -1.4,30.6 5.6,30.6 6.217,31.217 14.083,31.217 19.7,25.6 19.7,14.3 23.4,10.6 23.4,6.208 23.4,5.112 19.069,0.781 17.973,0.781 13.763,-3.429 9.622,-3.429 8.593,-2.4 5.793,-2.4 5.1,-3.093 5.1,-11.7 3.7,-13.1 1.966,-13.1 -1.3,-13.1 -2,-12.4 -2,-9.939 -2.232,-9.707 -17.093,-9.707 -19.9,-6.9 -22.9,-3.9 -24.1,-2.7 -26.6,-2.7 -27.5,-1.8 -27.5,0.5 -29,2 -33.3,2 -34.417,3.117
  text "S/N" at 13.335,66.675 h3.05
  text "QUTMS-BMS-V01" at 32.385,39.878 h5.08 r90
  text "ISO 4mm" at -31.622,-44.816 h1.52
Bottom Overlay:
  lines w0.254: -34.67,-46.848 -0.1,-46.8 ; -34.67,-41.26 -0.1,-41.3
  text "S/N" at -4.064,-11.938 h5.08 r270
  text "QUTMS-BMS-V00" at 2.032,-12.446 h5.08 r270
  text "ISO 4mm" at -14.099,-44.816 h1.52
Mechanical 1:
  lines w0.254: -35,38 -33,40 -0.5,40 ccw(c-0.5,40.5) 0,40.5 0,78 2,80 33,80 ; -35,38 -35,38 ; -35,38 -35,-78 -33,-80 -2,-80 ; -2,-80 0,-78 0,-40.5 cw(c0.5,-40.5) 0.5,-40 33,-40 35,-38 35,78 33,80 ; -2,-80 -2,-80 ; 33,80 33,80

## Text inside footprints (layer, text, board x,y; h text height)
J7A: Top Overlay "1" at 29.34,-36.285 h1.02 r90; Top Overlay "6" at 29.34,-29.046 h1.02 r90
J7B: Top Overlay "6" at -29.34,-35.954 h1.02 r270; Top Overlay "1" at -29.34,-28.715 h1.02 r270
J7C: Top Overlay "1" at 29.34,28.715 h1.02 r90; Top Overlay "6" at 29.34,35.954 h1.02 r90
J7D: Top Overlay "1" at -29.34,36.285 h1.02 r270; Top Overlay "6" at -29.34,29.046 h1.02 r270
LYID1: Bottom Layer "2" at 24.511,61.341 h1.52; Top Layer "1" at 22.606,61.341 h1.52
U1: Top Overlay "STM32 / F042 / C6" at 9.11,-19.766 h1.02 r315
Z1: Top Overlay "Logic / Analyzer" at 31.618,-4.13 h0.81 r180; Top Overlay "Saleae / Clone" at 31.618,11.364 h0.81 r180
Z2: Top Overlay "Saleae / Clone" at -17.184,-23.682 h0.81 r270; Top Overlay "Logic / Analyzer" at -1.69,-23.682 h0.81 r270